# KiCad board phase-control.kicad_pcb (continued)
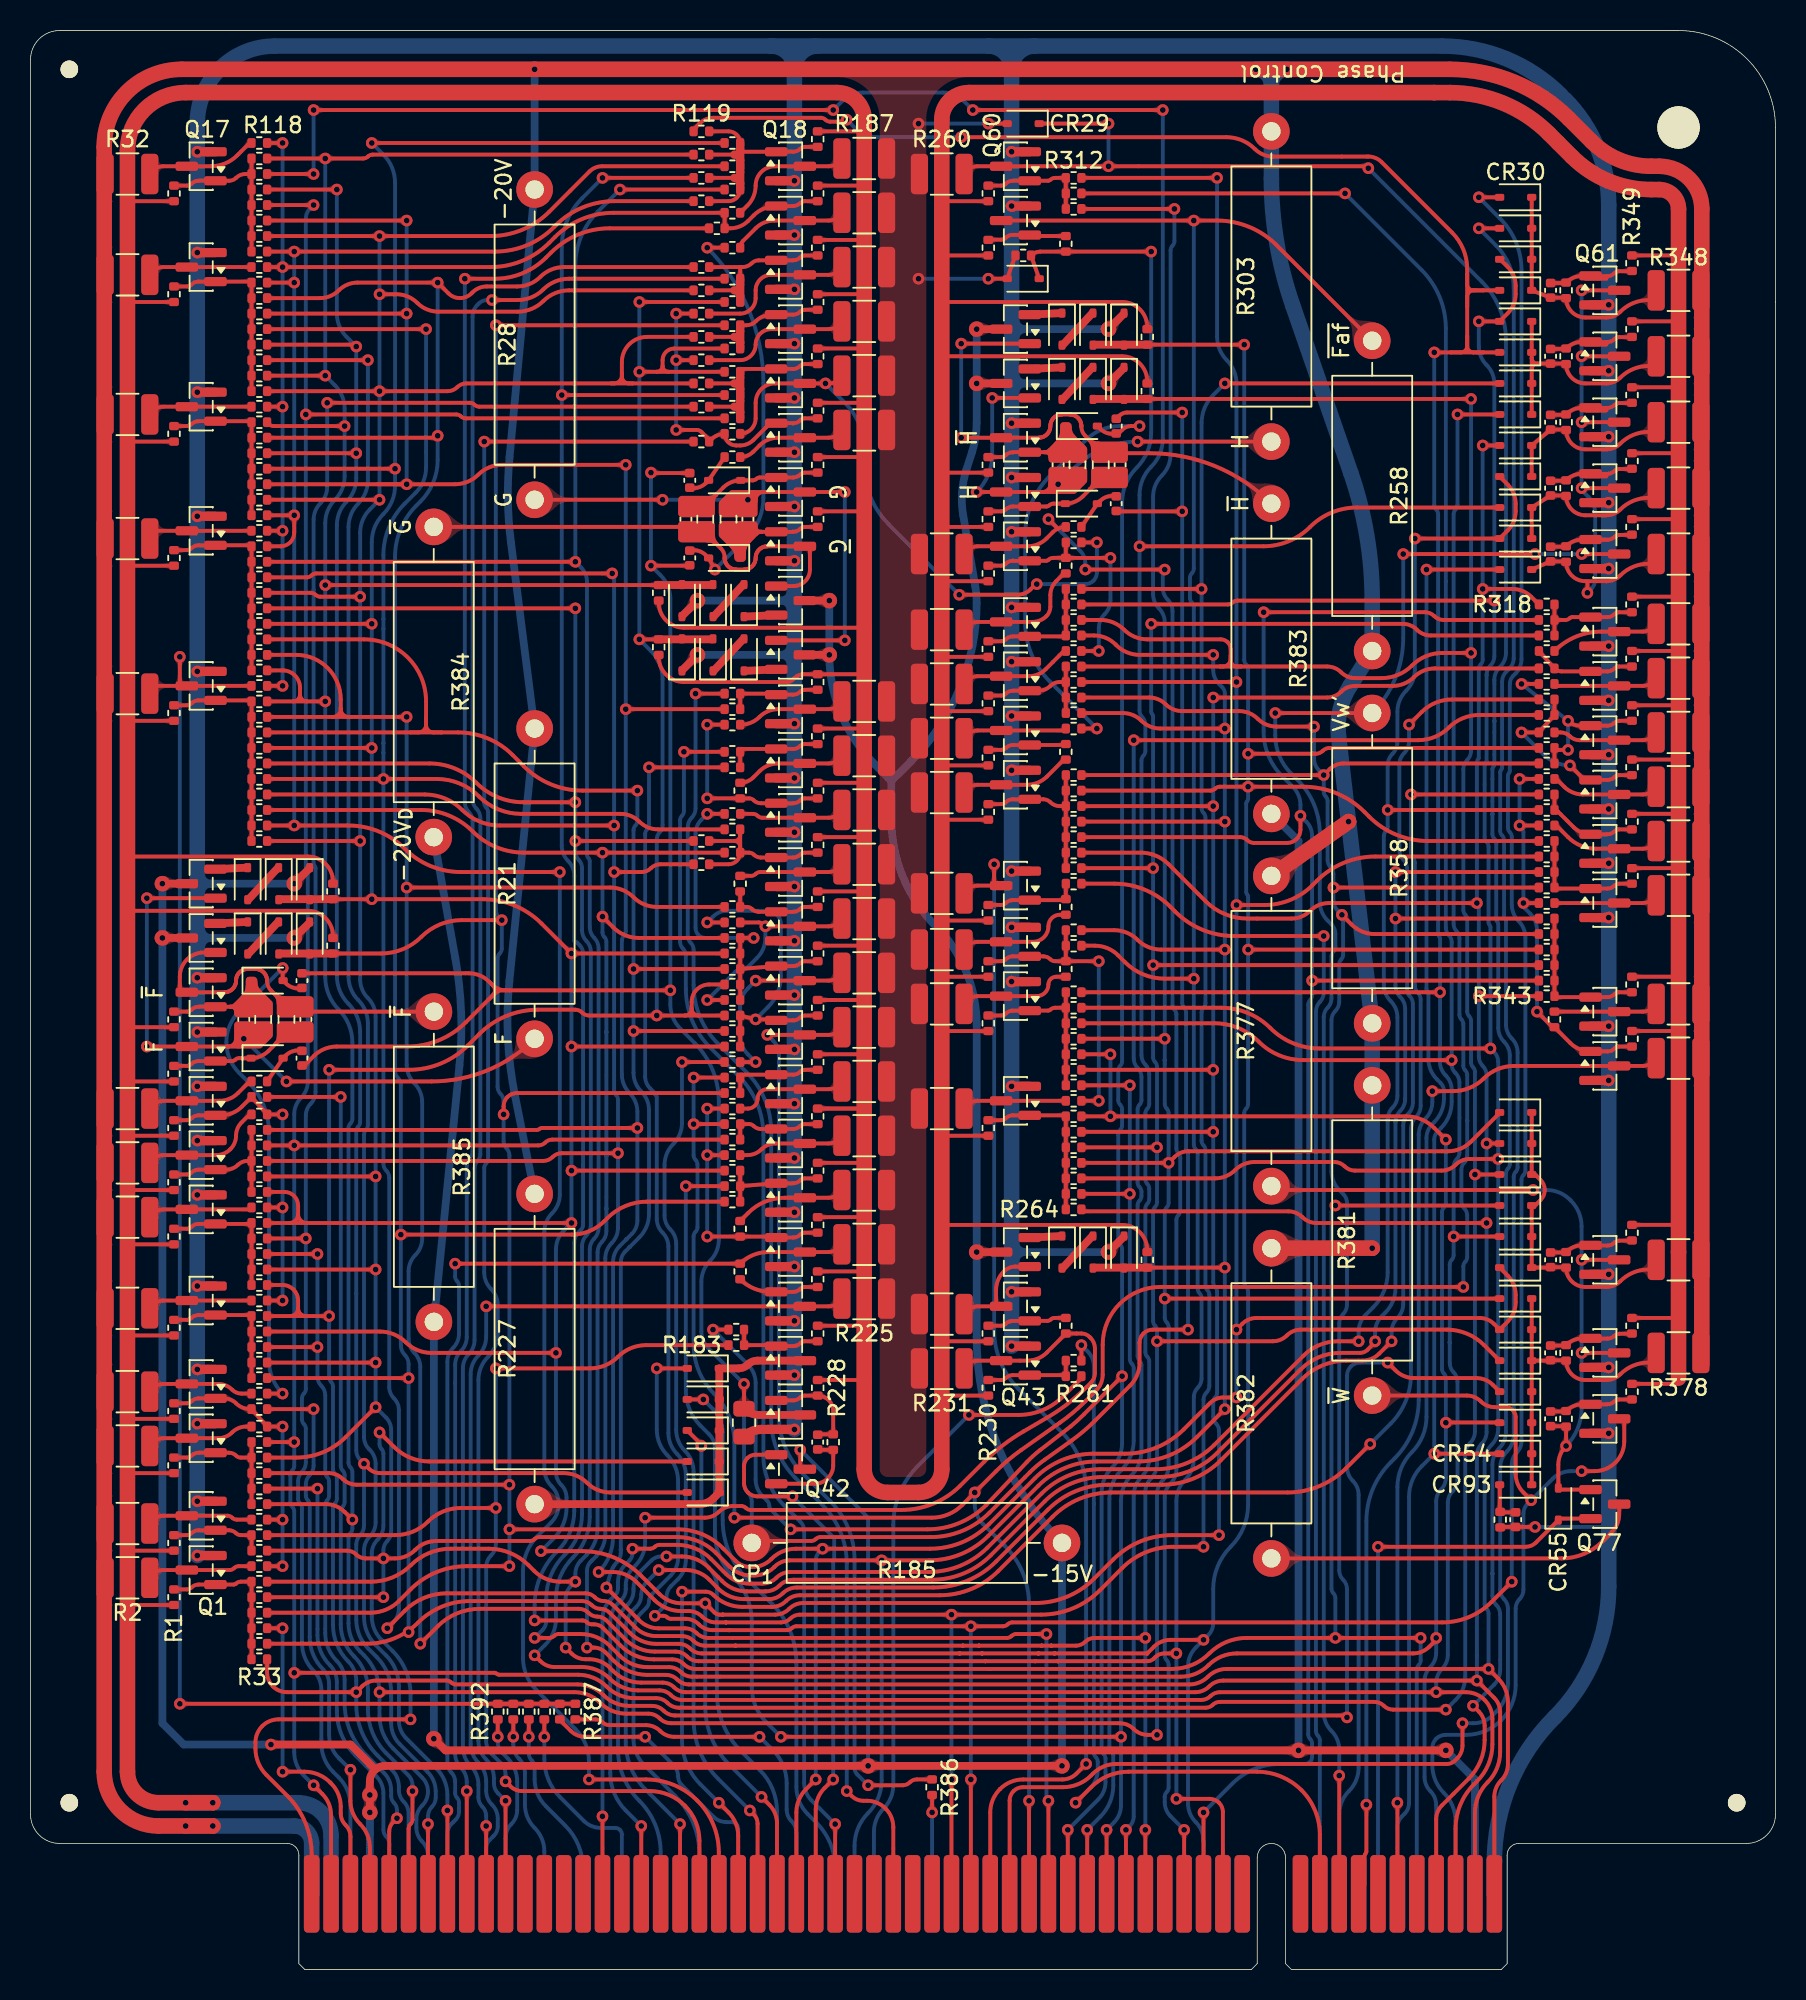
[diagram p0: board, top side]
## Routing (per net, layer and track width the routed paths; a pad name or vN(x,y) marks a point on that pad's centre or on a via; arc(x,y) is an arc through that point) (continued)
Net-(Q20-C): length 10.5
  Top w0.254: R133.1 46.48,108.46 arc(47.2,108.76) 47.5,109.47 47.5,109.98 arc(47.8,110.7) 48.51,111 Q20.3 52.28,111 arc(52.61,111.06) 52.89,111.25 R191.2
Net-(Q21-B): length 9.7
  Top w0.254: R192.1 50.72,108.71 arc(50.56,108.68) 50.42,108.58 arc(50.21,108.44) 49.95,108.39 48.57,108.39 arc(47.99,108.28) 47.5,107.95 arc(47.22,107.76) 46.88,107.7 R134.2 ; R135.2 46.1,106.93 arc(46.37,107.05) 46.48,107.31
  Top w0.54: 46.48,106.55 R134.2 ; 46.48,106.55 R136.2 ; 46.48,106.55 arc(46.37,106.82) 46.1,106.93
Net-(Q21-C): length 10
  Top w0.254: R137.1 46.48,105.41 arc(47.2,105.71) 47.5,106.43 arc(47.8,107.14) 48.51,107.44 Q21.3 52.28,107.44 arc(52.61,107.51) 52.89,107.7 R193.2
Net-(Q22-B): length 13.9
  Top w0.254: 46.48,104.84 Q22.1 49.95,104.84 arc(50.21,104.89) 50.42,105.03 arc(50.56,105.12) 50.72,105.15 R194.1 ; R141.2 46.1,102.36 arc(46.37,102.47) 46.48,102.74 ; R139.2 46.1,103.89 arc(46.37,104) 46.48,104.27
  Top w0.54: 46.48,103.5 46.48,101.98 ; 46.48,103.5 R138.2 ; 46.48,103.5 arc(46.37,103.77) 46.1,103.89 ; 46.48,101.98 R142.2 ; 46.48,101.98 arc(46.37,102.25) 46.1,102.36
Net-(Q23-B): length 20.7
  Top w0.254: v1(42.29,108.46) R133.2 ; R196.1 50.72,101.6 arc(50.56,101.57) 50.42,101.47 arc(50.21,101.33) 49.95,101.28 Q23.1 arc(48.48,101.21) 48.17,101 47.35,100.18 arc(46.95,99.92) 46.48,99.82 46.23,99.82 arc(45.69,100.05) R143.2 arc(45,100.49) 44.6,100.23 R144.2 arc(44.43,100.19) 44.36,100.29 43.94,100.71 arc(43.8,100.8) 43.64,100.84 v1(42.29,100.84) ; v1(42.29,105.41) R137.2
  Bottom w0.254: v1(42.29,100.84) v1(42.29,105.41) v1(42.29,108.46)
Net-(Q28-B): length 6
  Top w0.254: R202.1 50.72,83.82 arc(50.56,83.79) 50.42,83.69 arc(50.21,83.55) 49.95,83.5 Q28.1 ; 48.69,83.57 R148.2 R149.2
Net-(Q28-C): length 7.1
  Top w0.254: R150.1 46.53,81.53 arc(47.19,81.67) 47.75,82.04 arc(48.31,82.42) 48.98,82.55 Q28.3 52.28,82.55 arc(52.61,82.62) 52.89,82.8 R203.2
Net-(Q29-B): length 6.2
  Top w0.254: R204.1 50.72,80.26 arc(50.56,80.23) 50.42,80.14 arc(50.21,79.99) 49.95,79.94 Q29.1 46.48,79.94 ; R152.2 R151.2
Net-(Q29-C): length 7.2
  Top w0.254: R205.2 52.89,79.25 arc(52.61,79.06) 52.28,78.99 Q29.3 48.98,78.99 arc(48.31,78.86) 47.75,78.49 47.35,78.09 arc(46.95,77.82) R153.1
Net-(Q30-B): length 13.4
  Top w0.254: v1(44.32,76.71) 46.48,76.71 arc(46.48,76.71) 46.48,76.71 arc(46.48,76.71) 46.48,76.71 47.07,76.71 arc(47.23,76.67) 47.37,76.58 arc(47.58,76.44) 47.84,76.39 Q30.1 49.95,76.39 arc(50.21,76.44) 50.42,76.58 arc(50.56,76.67) 50.72,76.71 R206.1 ; v1(44.32,81.53) R150.2
  Bottom w0.254: v1(44.32,76.71) v1(44.32,81.53)
Net-(Q30-C): length 6.9
  Top w0.254: R154.1 47.32,75.69 arc(47.48,75.66) 47.62,75.56 arc(47.77,75.47) 47.93,75.44 Q30.3 52.28,75.44 arc(52.61,75.5) 52.89,75.69 R207.2
Net-(Q31-B): length 12.1
  Top w0.254: 46.48,74.29 R155.2 ; 46.48,74.29 46.48,73.53 ; 46.48,74.29 arc(46.37,74.03) 46.1,73.91 ; 46.1,73.91 R156.2 ; 46.1,73.91 arc(46.37,73.8) 46.48,73.53 ; 46.48,73.53 R157.2 ; R157.2 47.06,73.15 arc(47.23,73.12) 47.37,73.02 arc(47.58,72.88) 47.84,72.83 Q31.1 49.95,72.83 arc(50.21,72.88) 50.42,73.02 arc(50.56,73.12) 50.72,73.15 R208.1 ; R157.2 arc(46.26,72.61) 45.72,72.39 R158.2
Net-(Q31-C): length 6.9
  Top w0.254: R159.1 47.2,71.63 arc(47.36,71.66) 47.5,71.75 arc(47.64,71.85) 47.8,71.88 Q31.3 52.28,71.88 arc(52.61,71.95) 52.89,72.14 R209.2
Net-(Q32-B): length 6.3
  Top w0.254: R210.1 50.72,69.59 arc(50.56,69.56) 50.42,69.47 arc(50.21,69.33) 49.95,69.28 Q32.1 47.71,69.28 arc(47.46,69.33) 47.24,69.47 arc(47.1,69.56) 46.94,69.6 R160.2 46.48,70.61
Net-(Q32-C): length 14.6
  Top w0.254: R161.1 47.7,68.58 arc(47.87,68.55) 48.01,68.45 v1(48.13,68.33) Q32.3 52.28,68.33 arc(52.61,68.39) 52.89,68.58 R211.2 ; v1(44.32,63.5) R166.1
  Bottom w0.254: v1(44.32,63.5) 46.18,65.35 arc(46.37,65.49) 46.61,65.53 arc(46.84,65.58) 47.04,65.71 47.59,66.26 arc(47.99,66.86) 48.13,67.56 v1(48.13,68.33)
Net-(Q33-B): length 23.2
  Top w0.254: R166.2 R162.2 v1(47.37,67.56) ; v1(44.32,75.69) R154.2 ; R212.1 50.72,66.04 arc(50.56,66.01) 50.42,65.91 arc(50.21,65.77) 49.95,65.72 Q33.1 R164.2
  Bottom w0.254: v1(44.32,75.69) 43.94,75.31 arc(43.66,74.89) 43.56,74.39 43.56,68.21 arc(43.61,67.97) 43.75,67.75 arc(43.96,67.61) 44.21,67.56 v1(47.37,67.56)
Net-(Q33-C): length 12.9
  Top w0.254: v1(47.5,59.44) R170.1 ; R213.2 52.89,65.02 arc(52.61,64.84) 52.28,64.77 Q33.3 v1(47.5,64.77)
  Bottom w0.254: v1(47.5,59.44) 46.99,59.94 arc(46.61,60.51) 46.48,61.17 46.48,63.04 arc(46.61,63.7) 46.99,64.26 v1(47.5,64.77)
Net-(Q34-B): length 21.3
  Top w0.254: R214.1 50.72,62.48 arc(50.56,62.45) 50.42,62.36 arc(50.21,62.21) 49.95,62.16 48.89,62.16 ; v1(44.32,68.58) R161.2 ; 48.89,62.16 48.8,62.16 ; 48.89,62.16 arc(48.85,62.17) 48.81,62.2 ; 48.8,62.16 48.45,62.16 ; 48.8,62.16 arc(48.82,62.18) 48.81,62.2 ; R169.2 R167.2 v1(47.5,62.23) 48.73,62.23 arc(48.78,62.22) 48.81,62.2
  Bottom w0.254: v1(47.5,62.23) 48.32,63.06 arc(48.93,63.97) 49.15,65.05 49.15,68.47 arc(49.08,68.81) 48.89,69.09 arc(48.61,69.28) 48.28,69.34 45.62,69.34 arc(45.13,69.24) 44.7,68.96 v1(44.32,68.58)
Net-(Q34-C): length 60.7
  Top w0.254: v1(54.86,12.06) 57.13,12.06 arc(57.38,12.11) 57.6,12.26 arc(57.81,12.4) 58.06,12.45 R386.1 ; v1(48.26,61.21) Q34.3 52.28,61.21 arc(52.61,61.28) 52.89,61.47 R215.2
  Bottom w0.254: v1(54.86,12.06) 54.15,12.78 arc(54.02,12.97) 53.98,13.2 53.98,26.83 arc(53.56,28.91) 52.38,30.68 50.62,32.44 arc(49.44,34.21) 49.02,36.29 49.02,59.91 arc(48.92,60.41) 48.64,60.83 v1(48.26,61.21)
Net-(Q35-B): length 6.2
  Top w0.254: R216.1 50.72,58.93 arc(50.56,58.89) 50.42,58.8 arc(50.21,58.66) 49.95,58.61 Q35.1 46.48,58.61 ; R172.2 R171.2
Net-(Q35-C): length 7.6
  Top w0.254: R217.2 52.89,57.91 arc(52.61,57.72) 52.28,57.66 Q35.3 48.26,57.66 arc(47.81,57.47) 47.62,57.02 arc(47.44,56.57) 46.99,56.39 R173.1
Net-(Q36-B): length 6.3
  Top w0.254: R175.2 R174.2 47.06,55.37 arc(47.23,55.34) 47.37,55.24 arc(47.58,55.1) 47.84,55.05 Q36.1 49.95,55.05 arc(50.21,55.1) 50.42,55.24 arc(50.56,55.34) 50.72,55.37 R218.1
Net-(Q36-C): length 7
  Top w0.254: R176.1 46.96,53.34 arc(47.46,53.44) 47.88,53.72 arc(48.3,54) 48.8,54.1 Q36.3 52.28,54.1 arc(52.61,54.17) 52.89,54.36 R219.2
Net-(Q37-B): length 7.2
  Top w0.254: R178.2 Q37.1 49.95,51.5 arc(50.21,51.55) 50.42,51.69 arc(50.56,51.78) 50.72,51.81 R220.1 ; R179.2 R177.2
Net-(Q37-C): length 7.3
  Top w0.254: R180.1 47.01,49.56 arc(48.11,50.29) 49.4,50.55 Q37.3 52.28,50.55 arc(52.61,50.61) 52.89,50.8 R221.2
Net-(Q38-B): length 17.8
  Top w0.254: v1(44.32,56.39) R173.2 ; v1(44.32,48.01) 46.48,48.01 arc(46.48,48.01) R180.2 48.69,48 ; R222.1 50.72,48.26 arc(50.56,48.23) 50.42,48.13 arc(50.21,47.99) 49.95,47.94 Q38.1 ; v1(44.32,53.34) R176.2
  Bottom w0.254: v1(44.32,48.01) v1(44.32,53.34) v1(44.32,56.39)
Net-(Q39-B): length 5.4
  Top w0.254: R224.1 50.72,44.7 arc(50.56,44.67) 50.42,44.58 arc(50.21,44.43) 49.95,44.38 48.48,44.38 arc(47.4,44.6) R181.2
Net-(Q40-B): length 5.8
  Top w0.254: Q40.1 49.95,40.83 arc(50.21,40.88) 50.42,41.02 arc(50.56,41.11) 50.72,41.15 R226.1 ; 48.69,40.89 R183.2 R182.2
Net-(Q41-B): length 6.9
  Top w0.254: Q41.1 49.95,37.27 arc(50.21,37.32) 50.42,37.46 arc(50.56,37.56) 50.72,37.59 R228.1 arc(52.28,37.29) 52.58,36.57 R184.2 51.59,35.05 arc(51.57,35.05) C9.2
Net-(Q42-E): length 6.5
  Top w0.254: Q42.2 51.37,31.82 arc(52.23,32.17) 52.58,33.02 R184.1 51.59,34.03 arc(51.57,34.04) C9.1
Net-(Q43-B): length 6.2
  Top w0.254: R230.1 63.58,38.61 arc(63.74,38.64) 63.88,38.73 arc(64.09,38.88) 64.35,38.93 Q43.1 67.66,38.93 arc(67.74,38.91) R261.2 R262.2
Net-(Q44-B): length 5.2
  Top w0.254: R263.2 67.07,42.67 arc(66.94,42.65) 66.84,42.58 arc(66.73,42.51) 66.61,42.48 Q44.1 64.35,42.48 arc(64.09,42.43) 63.88,42.29 arc(63.74,42.2) 63.58,42.17 R232.1
Net-(Q44-C): length 6.8
  Top w0.254: 63.25,43.43 63.25,44.49 arc(63.38,45.16) 63.75,45.72 arc(64.11,45.96) 64.53,46.04 Q45.1 ; R233.2 61.41,43.18 arc(61.69,43.37) 62.02,43.43 Q44.3
Net-(Q46-B): length 11.3
  Top w0.254: R235.1 63.58,55.63 arc(63.74,55.66) 63.88,55.75 arc(64.09,55.9) 64.35,55.95 Q46.1 67.78,55.95 arc(67.81,55.94) 67.82,55.91 R264.2
Net-(Q46-C): length 6.8
  Top w0.254: R271.1 67.81,56.9 arc(67.81,56.9) 67.81,56.9 Q46.3 62.02,56.9 arc(61.69,56.83) 61.41,56.64 R236.2
Net-(Q47-B): length 11.3
  Top w0.254: R278.2 R272.2 ; R277.2 67.11,62.99 arc(66.94,62.96) 66.8,62.86 arc(66.73,62.82) 66.65,62.8 Q47.1 64.35,62.8 arc(64.09,62.75) 63.88,62.61 arc(63.74,62.52) 63.58,62.49 R237.1
Net-(Q47-C): length 7.6
  Top w0.254: R238.2 61.41,63.5 arc(61.69,63.69) 62.02,63.75 Q47.3 65.91,63.75 arc(66.45,63.98) 66.67,64.52 arc(66.82,64.87) 67.18,65.02 R279.1
Net-(Q48-B): length 19.7
  Top w0.254: R239.1 63.58,66.04 arc(63.74,66.07) 63.88,66.17 arc(64.09,66.31) 64.35,66.36 Q48.1 66.34,66.36 arc(66.59,66.31) 66.8,66.17 arc(66.94,66.07) 67.11,66.04 67.82,66.04 R281.2 ; R279.2 67.82,66.04 arc(67.82,66.04) 67.82,66.04 v1(69.98,66.04) ; v1(69.98,56.9) R271.2
  Bottom w0.254: v1(69.98,56.9) v1(69.98,66.04)
Net-(Q48-C): length 7.9
  Top w0.254: R240.2 61.41,67.06 arc(61.69,67.24) 62.02,67.31 Q48.3 65.66,67.31 arc(66.38,67.61) 66.67,68.33 arc(66.9,68.86) 67.43,69.09 R282.1
Net-(Q49-B): length 6.2
  Top w0.254: R283.2 67.82,70.1 arc(67.75,70.06) 67.67,70.04 Q49.1 64.35,70.04 arc(64.09,69.99) 63.88,69.85 arc(63.74,69.76) 63.58,69.72 62.74,69.72
Net-(Q50-B): length 11.4
  Top w0.254: R290.2 R284.2 ; 62.74,76.33 63.58,76.33 arc(63.74,76.36) 63.88,76.45 arc(64.09,76.6) 64.35,76.65 Q50.1 66.34,76.65 arc(66.59,76.6) 66.8,76.45 arc(67.08,76.27) 67.42,76.2 R288.2
Net-(Q50-C): length 7.4
  Top w0.254: R244.2 61.41,77.34 arc(61.69,77.53) 62.02,77.6 Q50.3 65.28,77.6 arc(65.98,77.74) 66.58,78.14 67.6,79.15 arc(67.7,79.22) R291.1
Net-(Q51-B): length 5.2
  Top w0.254: 62.74,79.88 63.58,79.88 arc(63.74,79.92) 63.88,80.01 arc(64.09,80.15) 64.35,80.2 67.79,80.2 arc(67.81,80.21) 67.82,80.23 67.82,80.26
Net-(Q52-B): length 8.4
  Top w0.254: R295.2 67.42,84.33 arc(67.08,84.26) 66.8,84.07 arc(66.45,83.84) 66.04,83.76 64.35,83.76 arc(64.09,83.71) 63.88,83.57 arc(63.74,83.47) 63.58,83.44 R247.1 ; R296.2 R293.2
Net-(Q52-C): length 7.4
  Top w0.254: R248.2 61.41,84.45 arc(61.69,84.64) 62.02,84.71 Q52.3 65.4,84.71 arc(65.99,84.83) 66.49,85.16 67.6,86.27 arc(67.7,86.34) R297.1
Net-(Q53-B): length 8.2
  Top w0.254: R249.1 63.58,87 arc(63.74,87.03) 63.88,87.12 arc(64.09,87.26) 64.35,87.31 Q53.1 67.67,87.31 arc(67.75,87.33) R298.2 R301.2
Net-(Q53-C): length 9
  Top w0.254: R250.2 61.41,88.01 arc(61.69,88.2) 62.02,88.26 Q53.3 65.63,88.26 arc(66.13,88.36) 66.55,88.65 arc(66.74,88.93) 66.8,89.26 66.8,90.01 arc(66.9,90.51) 67.18,90.93 67.6,91.35 arc(67.7,91.41) R302.1
Net-(Q54-B): length 16.6
  Top w0.254: R302.2 66.99,92.46 arc(66.82,92.42) 66.67,92.33 arc(66.61,92.28) 66.53,92.27 Q54.1 64.35,92.27 arc(64.09,92.22) 63.88,92.07 arc(63.74,91.98) 63.58,91.95 R251.1 ; R302.2 67.82,92.46 arc(67.82,92.46) 67.82,92.46 v1(70.74,92.46) ; R302.2 arc(67.82,92.46) 67.82,92.46 R304.2 ; v1(69.98,86.36) R297.2
  Bottom w0.254: v1(70.74,92.46) 70.74,89.69 arc(70.64,89.2) 70.36,88.77 arc(70.08,88.35) 69.98,87.85 v1(69.98,86.36)
Net-(Q59-B): length 5
  Top w0.254: 65.45,113.62 64.35,113.62 arc(64.09,113.57) 63.88,113.43 arc(63.74,113.33) 63.58,113.3 62.74,113.3 ; R308.2 65.61,113.54
Net-(Q60-B): length 7.2
  Top w0.254: R310.2 R312.2 67.11,117.35 arc(66.94,117.31) 66.8,117.22 arc(66.73,117.18) 66.65,117.16 Q60.1 64.35,117.16 arc(64.09,117.11) 63.88,116.97 arc(63.74,116.87) 63.58,116.84 R259.1
Net-(Q61-B): length 6.9
  Top w0.254: 101.85,110.74 103.22,110.74 ; 102.19,110.92 103.29,110.92 arc(103.55,110.97) 103.76,111.11 arc(103.9,111.2) 104.06,111.23 104.9,111.23 ; Q61.1 101.65,110.93 arc(101.07,110.82) R313.2 arc(100.55,110.47) 100.51,110.46 C14.1
Net-(Q62-B): length 6.9
  Top w0.254: 102.19,106.6 103.29,106.6 arc(103.55,106.65) 103.76,106.79 arc(103.9,106.88) 104.06,106.92 104.9,106.92 ; C15.1 100.51,106.14 arc(100.55,106.15) R314.2 arc(101.07,106.5) 101.65,106.61 Q62.1 ; 101.85,106.43 103.22,106.43
Net-(Q63-B): length 6.9
  Top w0.254: Q63.1 101.65,102.3 arc(101.07,102.18) R315.2 arc(100.55,101.83) 100.51,101.83 C16.1 ; 102.19,102.28 103.29,102.28 arc(103.55,102.33) 103.76,102.47 arc(103.9,102.57) 104.06,102.6 104.9,102.6 ; 101.85,102.11 103.22,102.11
Net-(Q64-B): length 6.9
  Top w0.254: 101.85,97.79 103.22,97.79 ; 102.19,97.96 103.29,97.96 arc(103.55,98.01) 103.76,98.16 arc(103.9,98.25) 104.06,98.28 104.9,98.28 ; Q64.1 101.65,97.98 arc(101.07,97.86) R316.2 arc(100.55,97.52) 100.51,97.51 C17.1
Net-(Q65-B): length 5.5
  Top w0.254: C18.1 100.51,93.19 arc(100.55,93.2) R317.2 arc(101.07,93.55) 101.65,93.66 Q65.1 ; 102.19,93.64 103.29,93.64 arc(103.55,93.7) 103.76,93.84 arc(103.9,93.93) 104.06,93.96 104.9,93.96
Net-(Q66-B): length 7.2
  Top w0.254: R318.2 R320.2 ; R359.1 104.06,88.9 arc(103.9,88.87) 103.76,88.77 arc(103.55,88.63) 103.29,88.58 Q66.1 100.99,88.58 arc(100.91,88.56) 100.84,88.52 arc(100.7,88.43) 100.53,88.39 R319.2
Net-(Q66-C): length 7.2
  Top w0.254: R360.2 106.23,87.88 arc(105.95,87.7) 105.62,87.63 Q66.3 102.89,87.63 arc(101.23,87.3) R321.1
Net-(Q67-B): length 6.7
  Top w0.254: R361.1 104.06,85.34 arc(103.9,85.31) 103.76,85.22 arc(103.55,85.07) 103.29,85.02 Q67.1 100.29,85.02 arc(100.04,85.07) R322.2 R321.2
Net-(Q67-C): length 6.9
  Top w0.254: R362.2 106.23,84.33 arc(105.95,84.14) 105.62,84.07 Q67.3 100.13,84.07 arc(99.96,84.11) R323.1
Net-(Q68-B): length 13.2
  Top w0.254: v1(100.71,79.88) 100.13,79.88 arc(99.96,79.92) R327.2 R328.2 ; v1(97.66,84.2) R323.2 ; R363.1 104.06,81.79 arc(103.9,81.75) 103.76,81.66 arc(103.55,81.52) 103.29,81.47 101.48,81.47 arc(101.07,81.55) v1(100.71,81.79)
  Bottom w0.254: v1(100.71,79.88) v1(100.71,81.79) v1(97.66,84.2)
Net-(Q68-C): length 7
  Top w0.254: R326.1 100.22,81.03 arc(100.56,80.96) 100.84,80.77 arc(101.12,80.58) 101.45,80.52 Q68.3 105.62,80.52 arc(105.95,80.58) 106.23,80.77 R364.2
Net-(Q69-B): length 12.2
  Top w0.254: v1(100.84,78.87) 101.65,78.05 arc(101.81,77.95) 101.99,77.91 103.29,77.91 arc(103.55,77.96) 103.76,78.1 arc(103.9,78.2) 104.06,78.23 R365.1 ; R324.2 R325.2 R326.2 v1(97.66,81.03)
  Bottom w0.254: v1(97.66,81.03) 99.1,79.59 arc(99.9,79.05) v1(100.84,78.87)
Net-(Q69-C): length 7.2
  Top w0.254: R366.2 106.23,77.22 arc(105.95,77.03) 105.62,76.96 Q69.3 101.68,76.96 arc(101.02,77.09) 100.46,77.47 100.04,77.89 arc(99.94,77.96) R329.1
Net-(Q70-B): length 6.8
  Top w0.254: R330.2 R331.2 arc(99.94,75.92) 100.04,75.86 101.08,74.81 arc(101.59,74.47) Q70.1 103.29,74.36 arc(103.55,74.41) 103.76,74.55 arc(103.9,74.64) 104.06,74.67 R367.1
Net-(Q70-C): length 7.3
  Top w0.254: R368.2 106.23,73.66 arc(105.95,73.47) 105.62,73.41 Q70.3 102.55,73.41 arc(101.56,73.6) 100.71,74.17 100.04,74.84 arc(99.94,74.91) R332.1
Net-(Q71-B): length 8.2
  Top w0.254: R369.1 104.06,71.12 arc(103.9,71.09) 103.76,70.99 arc(103.55,70.85) 103.29,70.8 Q71.1 99.98,70.8 arc(99.9,70.82) R336.2 R333.2
Net-(Q71-C): length 6.8
  Top w0.254: R337.1 Q71.3 105.62,69.85 arc(105.95,69.92) 106.23,70.1 R370.2
Net-(Q72-B): length 10.3
  Top w0.254: R371.1 104.06,64.01 arc(103.9,63.97) 103.76,63.88 arc(103.55,63.74) 103.29,63.69 Q72.1 99.98,63.69 arc(99.9,63.71) R343.2 R338.2
Net-(Q72-C): length 6.8
  Top w0.254: 99.82,62.74 Q72.3 105.62,62.74 arc(105.95,62.8) 106.23,62.99 R372.2
Net-(Q73-B): length 26.5
  Top w0.254: v1(98.68,62.74) 99.65,61.77 arc(99.7,61.73) 99.76,61.72 99.82,61.72 arc(99.82,61.72) 99.82,61.72 100.86,60.68 arc(101.47,60.27) Q73.1 103.29,60.13 arc(103.55,60.18) 103.76,60.32 arc(103.9,60.42) 104.06,60.45 R373.1 ; v1(97.79,69.85) R337.2 ; v1(97.54,77.98) R329.2 ; v1(97.54,74.93) R332.2
  Bottom w0.254: v1(97.54,77.98) v1(97.54,74.93) 97.66,74.8 arc(97.76,74.66) 97.79,74.5 v1(97.79,69.85) 97.79,69.72 arc(97.81,69.61) 97.88,69.51 98.23,69.15 arc(98.56,68.66) 98.68,68.08 v1(98.68,62.74)
Net-(Q74-B): length 5.5
  Top w0.254: C19.1 100.51,46.96 arc(100.55,46.97) R345.2 arc(101.07,47.32) 101.65,47.43 Q74.1 ; 102.19,47.42 103.29,47.42 arc(103.55,47.47) 103.76,47.61 arc(103.9,47.7) 104.06,47.73 104.9,47.73
Net-(Q75-B): length 5.5
  Top w0.254: 104.9,41.64 104.06,41.64 arc(103.9,41.61) 103.76,41.51 arc(103.55,41.37) 103.29,41.32 102.19,41.32 ; C20.1 100.51,40.87 arc(100.55,40.87) R346.2 arc(101.07,41.22) 101.65,41.34 Q75.1
Net-(Q76-B): length 5.5
  Top w0.254: C21.1 100.51,36.55 arc(100.55,36.56) R347.2 arc(101.07,36.9) 101.65,37.02 103.29,37.02 arc(103.55,37.07) 103.76,37.21 arc(103.9,37.3) 104.06,37.34 R380.1
Net-(Q77-C): length 24.8
  Top w0.254: R382.2 100.29,26.92 arc(101.74,27.21) 102.96,28.03 103.58,28.65 arc(103.94,29.18) 104.06,29.81 Q77.3

## Copper pours and planes (outline as drawn; the poured copper is in the pictures)
-20V on Top: 55.12,121.16 55.12,31.75 59.18,31.75 59.18,121.16 62.23,124.21 52.07,124.21
/F Flip-Flop/F_{S} on Top (solid shape): 13.59,61.85 15.62,61.85 15.62,61.21 14.99,60.58 13.59,60.58
/G Flip-Flop/G_{S} on Top (solid shape): 47.37,95.38 45.34,95.38 45.34,96.01 45.97,96.65 47.37,96.65
/H Flip-Flop/H_{S} on Top (solid shape): 66.93,98.17 68.96,98.17 68.96,97.54 68.33,96.9 66.93,96.9
Net-(CR2-K) on Top (solid shape): 13.59,62.61 15.62,62.61 15.62,63.25 14.61,64.26 14.61,64.77 14.35,64.77 14.35,64.01 13.59,63.12
Net-(CR10-K) on Top (solid shape): 47.37,94.61 45.34,94.61 45.34,93.98 46.36,92.96 46.36,92.46 46.61,92.46 46.61,93.22 47.37,94.11
Net-(CR21-K) on Top (solid shape): 66.93,98.93 68.96,98.93 68.96,99.57 67.95,100.58 67.95,101.09 67.69,101.09 67.69,100.33 66.93,99.44

Small or netless copper shapes (teardrops, artwork), in the pictures only: 1902 on Top, 596 on Bottom

## Text on the board
B.Silkscreen: ${TITLE}, Rev ${REVISION} | ${COMMENT1} | Layout ${COMPANY} | Logic designed 1963 by General Precision, Inc. | LGP-21 Mini
F.Silkscreen: CP_{1} | -15V | ~{F} | F | ~{G} | -20V_{D} | -20V | G | ~{H} | H | ~{Faf} | Vw' | ~{W} | ${TITLE}
